# KiCad board SBC.kicad_pcb (continued)
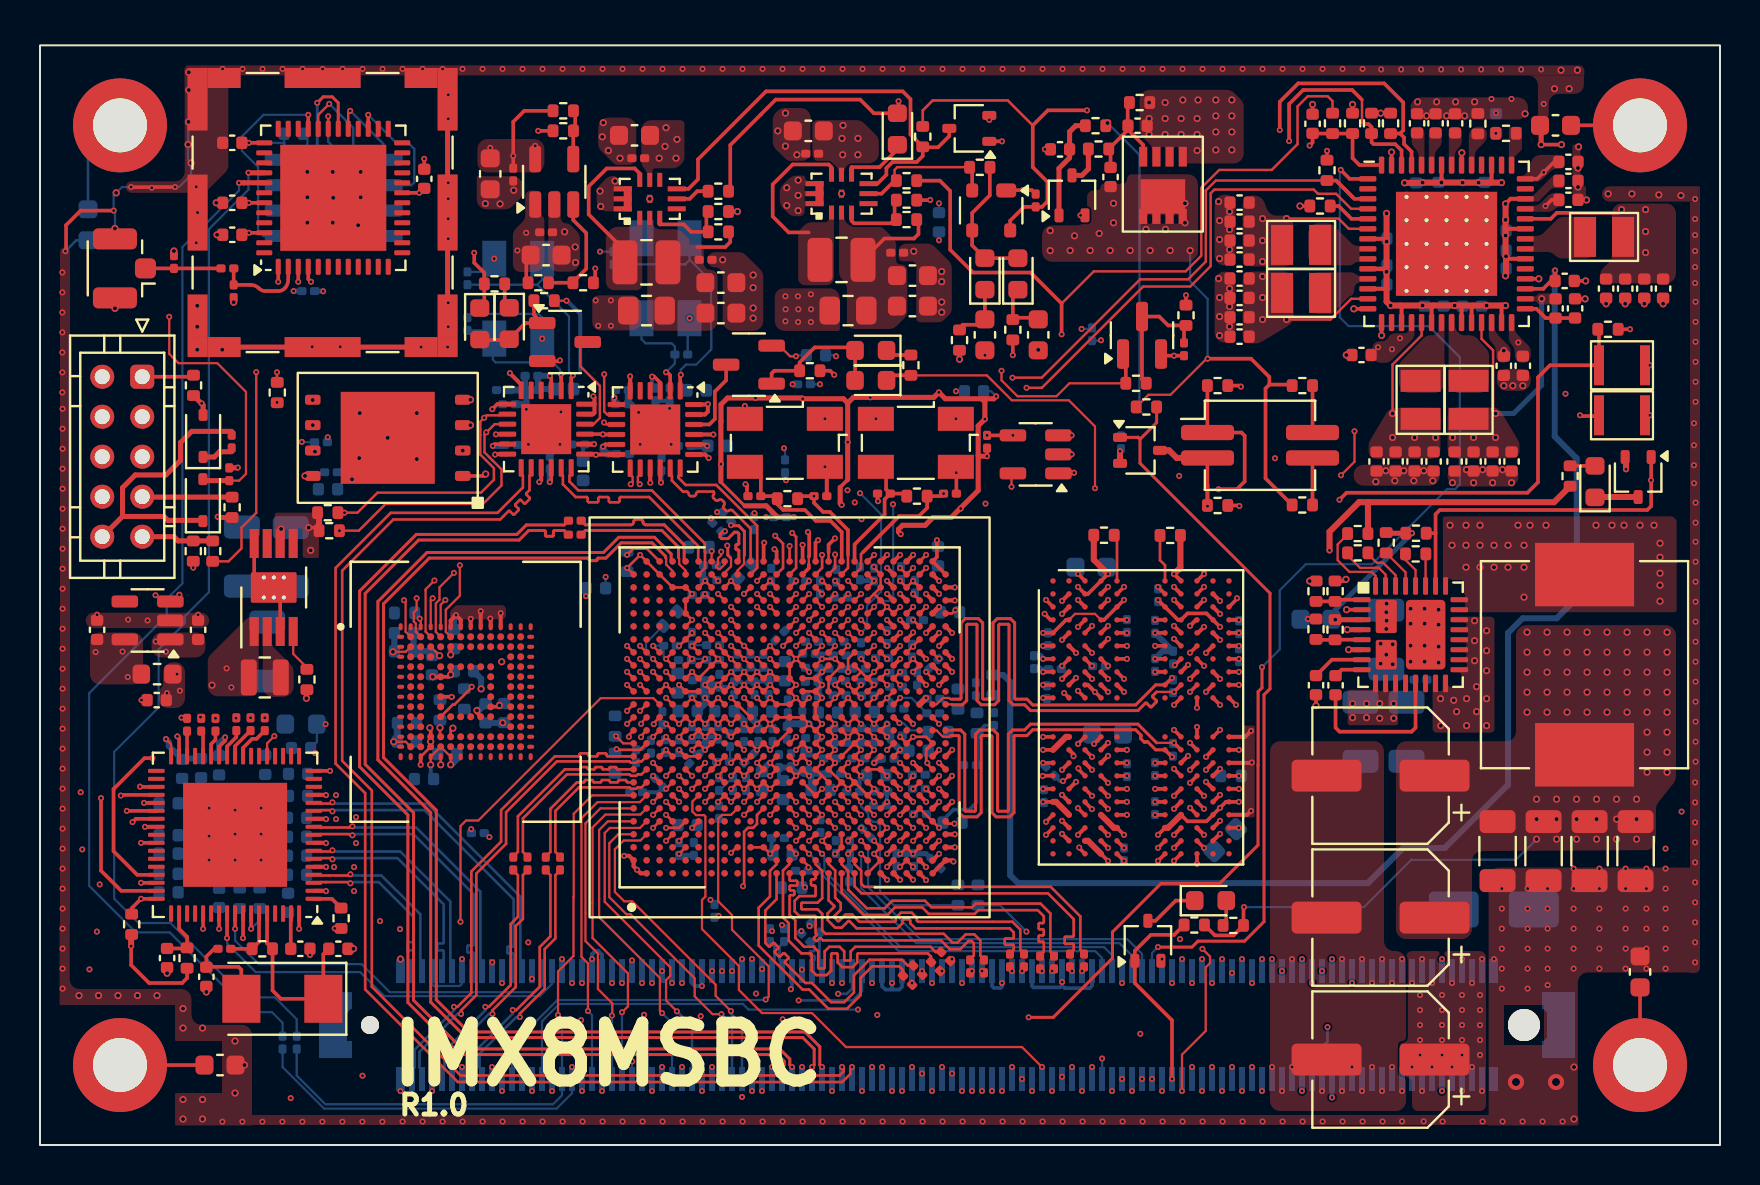
[diagram p0: board, top side]
## Routing (per net, layer and track width the routed paths; a pad name or vN(x,y) marks a point on that pad's centre or on a via; arc(x,y) is an arc through that point) (continued)
DSI_D2_N: length 32.2
  T w0.13: U9.A18 v1(29.35,24.96)
  IN2 w0.11: v1(26.6,8.1) 26.69,8.19 26.69,8.47 26.55,8.61 24.73,8.61 23.18,10.17 23.13,10.17 23.01,10.04 22.7,10.04 22.21,10.53 22.21,10.84 22.64,11.27 22.64,11.31 22.34,11.62 22.29,11.62 21.86,11.19 21.55,11.19 21.06,11.67 21.06,11.99 21.49,12.41 21.49,12.46 21.19,12.76 21.14,12.76 21.02,12.64 20.71,12.64 19.89,13.45 19.89,17.65 20.97,18.73 20.97,23.64 21.63,24.29 arc(21.66,24.37) 21.63,24.45 arc(21.6,24.53) 21.63,24.61 21.71,24.69 arc(21.79,24.72) 21.87,24.69 arc(21.95,24.66) 22.03,24.69 22.3,24.96 v1(29.35,24.96)
DSI_D2_P: length 32.3
  T w0.13: U9.B18 v1(30,24.96)
  IN2 w0.11: v1(27.1,8.1) 27.01,8.19 27.01,8.61 26.69,8.93 24.87,8.93 23.31,10.49 23,10.49 22.87,10.36 22.83,10.36 22.53,10.66 22.53,10.71 22.96,11.14 22.96,11.45 22.47,11.94 22.16,11.94 21.73,11.51 21.68,11.51 21.38,11.81 21.38,11.85 21.81,12.28 21.81,12.59 21.32,13.08 21.01,13.08 20.89,12.96 20.84,12.96 20.21,13.59 20.21,17.51 21.29,18.59 21.29,23.5 22.43,24.64 29.68,24.64 v1(30,24.96)
DSI_D3_N: length 32.3
  T w0.13: U9.A15 v1(29.35,23.01)
  IN2 w0.11: v1(31.6,8.1) 31.69,8.19 31.69,8.79 29.38,11.1 28.4,11.1 24.79,14.71 24.79,15.61 24.76,15.64 24.06,15.64 23.84,15.86 23.84,16.4 24.06,16.62 25.31,16.62 25.34,16.65 25.34,16.93 25.31,16.96 24.06,16.96 23.84,17.18 23.84,17.72 24.06,17.94 25.26,17.94 25.29,17.97 25.29,18.25 25.26,18.28 24.06,18.28 23.84,18.5 23.84,19.04 24.06,19.26 25.26,19.26 25.29,19.29 25.29,19.57 25.26,19.6 24.06,19.6 23.84,19.82 23.84,20.36 24.06,20.58 24.76,20.58 24.79,20.61 24.79,21.42 25.53,22.16 arc(25.56,22.24) 25.53,22.31 arc(25.5,22.39) 25.53,22.47 25.64,22.58 arc(25.71,22.61) 25.79,22.58 arc(25.87,22.54) 25.95,22.58 26.39,23.01 v1(29.35,23.01)
DSI_D3_P: length 32.2
  T w0.13: U9.B15 v1(30,23.01)
  IN2 w0.11: v1(30,23.01) 29.68,22.69 26.52,22.69 25.11,21.28 25.11,20.48 24.89,20.26 24.19,20.26 24.16,20.23 24.16,19.95 24.19,19.92 25.39,19.92 25.61,19.7 25.61,19.16 25.39,18.94 24.19,18.94 24.16,18.91 24.16,18.63 24.19,18.6 25.39,18.6 25.61,18.38 25.61,17.84 25.39,17.62 24.19,17.62 24.16,17.59 24.16,17.31 24.19,17.28 25.44,17.28 25.66,17.06 25.66,16.52 25.44,16.3 24.19,16.3 24.16,16.27 24.16,15.99 24.19,15.96 24.89,15.96 25.11,15.74 25.11,14.84 28.53,11.42 29.51,11.42 32.01,8.92 32.01,8.19 v1(32.1,8.1)
ENET_INT: length 40.3
  T w0.13: v1(35.15,12.94) 35.2,12.99 35.2,15.67 35.4,15.87 35.66,15.87 35.85,16.06 35.85,16.51 U9.L6
  T w0.18: U17.51 v1(5.05,12.31) 4.58,11.84 R108.2
  IN3 w0.11: v1(35.15,12.94) 28.75,12.94 24.51,8.71 8.79,8.71 7.9,9.6 6.4,9.6 5.05,10.95 v1(5.05,12.31)
ENET_MDC: length 48.3
  T w0.13: U9.N20 v1(37.8,26.26)
  T w0.18: v1(5.62,19.35) 5.23,19.35 3.68,17.8 3.68,14.7 4.86,13.51 U17.48
  IN4 w0.11: v1(5.62,19.35) 6.38,19.35 7.93,17.8 9.58,17.8 9.63,17.74 9.63,17.46 9.69,17.4 10.15,17.4 10.2,17.46 10.2,17.74 10.26,17.8 10.72,17.8 10.77,17.74 10.77,17.46 10.83,17.4 11.29,17.4 11.34,17.46 11.34,17.74 11.4,17.8 11.86,17.8 11.91,17.74 11.91,17.46 11.97,17.4 12.43,17.4 12.48,17.46 12.48,17.74 12.54,17.8 13,17.8 13.05,17.74 13.05,17.46 13.11,17.4 13.57,17.4 13.62,17.46 13.62,17.74 13.68,17.8 15.3,17.8 15.8,17.3 22.68,17.3 28.69,23.31 31.66,23.31 32.32,23.97 35.28,23.97 35.5,24.19 35.5,24.38 37.39,26.26 v1(37.8,26.26)
ENET_MDIO: length 48.4
  T w0.13: U9.N19 v1(37.15,24.96)
  T w0.18: U17.50 4.06,12.71 3.05,13.73 v1(3.05,17.35)
  IN4 w0.11: v1(3.05,17.35) 3.04,17.36 3.04,17.46 3.88,18.3 5.77,18.3 7.82,16.25 12.8,16.25 13.13,15.92 13.13,15.92 13.35,15.7 15.1,15.7 15.33,15.93 15.33,16.06 15.5,16.24 15.5,16.52 15.68,16.7 15.92,16.7 16.22,16.4 22.98,16.4 28.84,22.26 30.61,22.26 30.85,22.03 35.34,22.03 35.56,22.24 35.56,22.49 35.79,22.72 36.04,22.72 36.21,22.89 36.21,23.14 36.44,23.37 36.63,23.37 37.15,23.9 v1(37.15,24.96)
ENET_NRST: length 2.9
  T w0.18: R107.2 7.35,10.41 6.95,10.81 U17.53 ; C318.1 7.32,9.83
ENET_RD0: length 41.4
  T w0.12: U9.U19 v1(39.75,25.61)
  IN4 w0.11: v1(8.77,21.34) 10.81,19.31 11.01,19.31 11.04,19.34 11.04,19.59 11.08,19.62 11.34,19.62 11.37,19.59 11.37,19.34 11.41,19.31 11.67,19.31 11.7,19.34 11.7,19.59 11.74,19.62 12,19.62 12.03,19.59 12.03,19.34 12.07,19.31 12.33,19.31 12.36,19.34 12.36,19.59 12.4,19.62 12.66,19.62 12.69,19.59 12.69,19.34 12.73,19.31 12.99,19.31 13.02,19.34 13.02,19.59 13.06,19.62 13.32,19.62 13.35,19.59 13.35,19.34 13.39,19.31 15.04,19.31 16.13,18.23 21.64,18.23 28.74,25.33 30.75,25.33 31.34,25.91 35.92,25.91 36.8,26.79 36.8,27.1 37.56,27.86 39.23,27.86 39.4,27.69 39.4,27.5 39.63,27.27 39.82,27.27 40.11,26.98 40.11,25.97 v1(39.75,25.61)
ENET_RD1: length 41.4
  T w0.12: U9.U21 v1(40.4,26.91)
  IN4 w0.11: v1(9.8,21.35) 9.8,20.96 10.79,19.98 15.1,19.98 16.4,18.68 16.52,18.68 16.56,18.71 16.56,19.14 16.6,19.18 16.83,19.18 16.87,19.14 16.87,18.71 16.91,18.68 17.14,18.68 17.18,18.71 17.18,19.14 17.22,19.18 17.45,19.18 17.49,19.14 17.49,18.71 17.53,18.68 17.76,18.68 17.8,18.71 17.8,19.14 17.84,19.18 18.07,19.18 18.11,19.14 18.11,18.71 18.15,18.68 18.38,18.68 18.42,18.71 18.42,19.14 18.46,19.18 18.69,19.18 18.73,19.14 18.73,18.71 18.77,18.68 21.65,18.68 28.7,25.73 30.48,25.73 31.32,26.57 35.93,26.57 36.16,26.79 36.16,27.04 36.33,27.22 36.59,27.22 36.81,27.43 36.81,27.66 37.67,28.52 39.23,28.52 39.41,28.34 39.41,28.14 39.63,27.91 39.83,27.91 40.06,27.69 40.06,27.49 40.4,27.14 v1(40.4,26.91)
ENET_RD2: length 41.4
  T w0.12: U9.U20 v1(40.4,26.26)
  IN4 w0.11: v1(10.53,21.37) 10.53,21.09 10.86,20.76 11.07,20.76 11.12,20.81 11.12,20.96 11.17,21.01 11.47,21.01 11.52,20.96 11.52,20.81 11.57,20.76 11.87,20.76 11.92,20.81 11.92,20.96 11.97,21.01 12.27,21.01 12.32,20.96 12.32,20.55 12.37,20.5 12.67,20.5 12.72,20.55 12.72,20.96 12.77,21.01 13.07,21.01 13.12,20.96 13.12,20.55 13.17,20.5 13.47,20.5 13.52,20.55 13.52,20.96 13.57,21.01 13.87,21.01 13.92,20.96 13.92,20.55 13.97,20.5 14.27,20.5 14.32,20.55 14.32,20.71 14.37,20.76 15.34,20.76 15.45,20.86 15.52,20.86 15.73,20.65 15.73,20.58 15.44,20.29 15.44,20.22 15.66,20.01 15.73,20.01 15.83,20.12 15.91,20.12 16.52,19.5 21.98,19.5 28.58,26.1 30.23,26.1 31.02,26.9 34.12,26.9 34.43,27.21 35.92,27.21 36.15,27.44 36.15,27.63 36.44,27.92 36.74,27.92 37.55,28.72 39.67,28.72 40.05,28.34 40.05,28.15 40.28,27.92 40.49,27.92 40.7,27.71 40.7,26.56 v1(40.4,26.26)
ENET_RD3: length 41.4
  T w0.12: U9.V19 v1(40.4,25.61)
  IN4 w0.11: v1(11.24,21.37) 12.07,21.37 12.1,21.4 12.1,21.86 12.13,21.89 12.41,21.89 12.44,21.86 12.44,21.4 12.47,21.37 12.75,21.37 12.78,21.4 12.78,21.86 12.81,21.89 13.09,21.89 13.12,21.86 13.12,21.4 13.15,21.37 13.43,21.37 13.46,21.4 13.46,21.86 13.49,21.89 13.77,21.89 13.8,21.86 13.8,21.4 13.83,21.37 15.66,21.37 17.23,19.8 21.55,19.8 22.81,21.06 22.81,21.26 23,21.45 23.2,21.45 28.18,26.43 29.9,26.43 30.65,27.18 33.95,27.18 34.26,27.49 34.68,27.49 35.07,27.88 35.94,27.88 36.18,28.11 36.18,28.31 36.49,28.63 36.63,28.63 36.93,28.93 40.23,28.93 41.36,27.79 41.36,26.14 41.18,25.96 40.98,25.96 40.63,25.61 v1(40.4,25.61)
ENET_RX_CTL: length 41.4
  T w0.13: U9.T21 v1(39.75,26.91)
  IN4 w0.11: v1(8.02,21.4) 8.02,21.1 10.71,18.42 10.81,18.42 10.86,18.48 10.86,18.88 10.92,18.94 11.27,18.94 11.32,18.88 11.32,18.48 11.38,18.42 11.73,18.42 11.78,18.48 11.78,18.88 11.84,18.94 12.19,18.94 12.24,18.88 12.24,18.48 12.3,18.42 12.65,18.42 12.7,18.48 12.7,18.88 12.76,18.94 13.11,18.94 13.16,18.88 13.16,18.48 13.22,18.42 13.57,18.42 13.62,18.48 13.62,18.88 13.68,18.94 14.03,18.94 14.08,18.88 14.08,18.48 14.14,18.42 15.41,18.42 15.98,17.85 22.13,17.85 28.9,24.62 30.74,24.62 31.4,25.28 35.57,25.28 37.51,27.22 39.23,27.22 39.54,26.91 v1(39.75,26.91)
ENET_RXC: length 41.4
  T w0.12: v1(7.07,21.38) 7.13,21.43 7.35,21.43 ; U9.T20 v1(39.75,26.26)
  IN4 w0.11: v1(7.07,21.38) 7.81,20.64 arc(7.9,20.43) 7.81,20.22 7.59,20 arc(7.5,19.79) 7.59,19.58 arc(7.8,19.49) 8.01,19.58 8.23,19.8 arc(8.44,19.89) 8.65,19.8 arc(8.73,19.59) 8.65,19.39 8.42,19.16 arc(8.34,18.95) 8.42,18.75 arc(8.63,18.66) 8.84,18.75 9.06,18.97 arc(9.27,19.05) 9.48,18.97 10.35,18.1 15.3,18.1 15.8,17.6 22.49,17.6 28.91,24.01 31.72,24.01 32.32,24.62 35.37,24.62 37.32,26.57 39.45,26.57 v1(39.75,26.26)
ENET_TD0: length 53.4
  T w0.13: U9.R20 v1(39.1,26.26)
  T w0.18: U17.38 4.08,17.51 v1(4.04,17.48)
  IN4 w0.11: v1(4.04,17.48) 3.7,17.14 3.7,16.78 arc(3.64,16.64) 3.5,16.58 3.33,16.58 arc(3.18,16.52) 3.12,16.37 arc(3.18,16.23) 3.33,16.17 3.5,16.17 arc(3.64,16.11) 3.7,15.96 arc(3.64,15.82) 3.5,15.76 3.33,15.76 arc(3.18,15.7) 3.12,15.55 arc(3.18,15.41) 3.33,15.35 3.5,15.35 arc(3.64,15.29) 3.7,15.14 3.7,14.98 6.96,11.73 22.63,11.73 30.31,19.41 36.01,19.41 36.02,19.4 36.04,19.41 36.57,19.41 36.8,19.64 36.8,19.83 37.74,20.77 38.58,20.77 38.81,21 38.81,21.65 39.46,22.3 39.46,22.54 39.63,22.71 39.88,22.71 40.1,22.93 40.1,25.09 39.88,25.31 39.59,25.31 39.42,25.48 39.42,25.95 v1(39.1,26.26)
ENET_TD1: length 53.4
  T w0.13: U9.R21 v1(38.45,26.26)
  T w0.18: v1(4.34,16.71) U17.40
  IN4 w0.11: v1(38.45,26.26) 38.75,25.97 38.75,23.1 38.1,22.45 38.1,22.24 37.88,22.03 37.35,22.03 36.98,21.65 36.98,21.12 36.57,20.71 29.32,20.71 29.1,20.49 29.1,20.33 28.86,20.1 28.71,20.1 28.54,19.92 28.54,19.29 22.23,12.98 21.85,12.98 21.8,13.03 21.8,13.4 21.75,13.45 21.45,13.45 21.4,13.4 21.4,13.03 21.35,12.98 21.05,12.98 21,13.03 21,13.4 20.95,13.45 20.65,13.45 20.6,13.4 20.6,13.03 20.55,12.98 20.25,12.98 20.2,13.03 20.2,13.4 20.15,13.45 19.85,13.45 19.8,13.4 19.8,13.03 19.75,12.98 19.45,12.98 19.4,13.03 19.4,13.4 19.35,13.45 19.05,13.45 19,13.4 19,13.03 18.95,12.98 18.65,12.98 18.6,13.03 18.6,13.4 18.55,13.45 18.25,13.45 18.2,13.4 18.2,13.03 18.15,12.98 17.85,12.98 17.8,13.03 17.8,13.4 17.75,13.45 17.45,13.45 17.4,13.4 17.4,13.03 17.35,12.98 17.05,12.98 17,13.03 17,13.4 16.95,13.45 16.65,13.45 16.6,13.4 16.6,13.03 16.55,12.98 16.43,12.98 15.77,12.32 7.42,12.32 4.3,15.44 4.3,16.68 v1(4.34,16.71)
ENET_TD2: length 53.4
  T w0.13: U9.R19 v1(38.45,25.61)
  T w0.18: v1(4.62,16.15) 4.79,16.31 U17.41
  IN4 w0.11: v1(4.62,16.15) 4.72,16.06 4.72,16.03 7.95,12.79 8.6,12.79 8.68,12.87 8.68,13.61 8.75,13.69 9.19,13.69 9.27,13.61 9.27,12.87 9.34,12.79 9.78,12.79 9.86,12.87 9.86,13.61 9.93,13.69 10.37,13.69 10.45,13.61 10.45,12.87 10.52,12.79 10.96,12.79 11.04,12.87 11.04,13.61 11.11,13.69 11.55,13.69 11.63,13.61 11.63,12.87 11.7,12.79 12.4,12.79 13,13.39 13,13.4 14.62,13.4 15.41,14.2 16.08,14.2 16.3,13.98 16.49,13.98 16.55,14.04 16.55,14.44 16.62,14.5 16.98,14.5 17.04,14.44 17.04,14.04 17.11,13.98 17.47,13.98 17.53,14.04 17.53,14.44 17.6,14.5 17.96,14.5 18.02,14.44 18.02,14.04 18.09,13.98 18.45,13.98 18.51,14.04 18.51,14.44 18.58,14.5 18.94,14.5 19,14.44 19,14.04 19.07,13.98 19.43,13.98 19.49,14.04 19.49,14.44 19.56,14.5 19.92,14.5 19.98,14.44 19.98,14.04 20.05,13.98 20.41,13.98 20.47,14.04 20.47,14.44 20.54,14.5 20.9,14.5 20.96,14.44 20.96,14.04 21.03,13.98 21.85,13.98 29.06,21.18 29.06,21.19 29.29,21.42 35.61,21.42 35.92,21.73 36.63,21.73 37.57,22.66 37.87,22.66 38.16,22.95 38.16,23.79 38.43,24.05 38.43,24.58 38.16,24.84 38.16,25.27 38.45,25.56 v1(38.45,25.61)
ENET_TD3: length 53.4
  T w0.13: U9.P20 v1(37.8,25.61)
  T w0.18: U17.42 v1(5.25,15.91)
  IN4 w0.11: v1(37.8,25.61) 37.51,25.32 37.51,23.6 36.6,22.69 36.41,22.69 36.15,22.43 36.15,22.24 35.63,21.73 30.8,21.73 30.48,22.05 29.23,22.05 22.87,15.7 22.25,15.7 21.48,14.93 21.11,14.93 21.04,15 21.04,15.54 20.97,15.61 20.55,15.61 20.48,15.54 20.48,15 20.41,14.93 19.99,14.93 19.92,15 19.92,15.54 19.85,15.61 19.43,15.61 19.36,15.54 19.36,15 19.29,14.93 18.87,14.93 18.8,15 18.8,15.54 18.73,15.61 18.31,15.61 18.24,15.54 18.24,15 18.17,14.93 17.75,14.93 17.68,15 17.68,15.54 17.61,15.61 17.19,15.61 17.12,15.54 17.12,15 17.05,14.93 16.5,14.93 16.38,14.8 15.5,14.8 14.9,15.4 13.38,15.4 12.98,14.99 11.99,14.99 11.93,15.06 11.93,15.82 11.86,15.89 11.46,15.89 11.39,15.82 11.39,14.71 11.32,14.64 10.91,14.64 10.85,14.71 10.85,15.27 10.78,15.34 10.38,15.34 10.31,15.27 10.31,14.71 10.24,14.64 9.84,14.64 9.77,14.71 9.77,15.12 9.7,15.19 9.29,15.19 9.23,15.12 9.23,14.51 9.16,14.44 8.76,14.44 8.69,14.51 8.69,15.04 8.65,15.08 8.19,15.08 8.15,15.04 8.15,14.16 8.08,14.09 7.68,14.09 7.61,14.16 7.61,15.82 7.54,15.89 7.13,15.89 7.07,15.82 7.07,15.06 7,14.99 6.68,14.99 5.76,15.91 v1(5.25,15.91)
ENET_TX_CTL: length 53.4
  T w0.12: U9.P19 v1(37.8,24.96)
  T w0.18: U17.33 6.95,20.35 v1(6.87,20.44)
  IN4 w0.11: v1(6.87,20.44) 6.58,20.73 6.1,20.73 6.04,20.79 6.04,21.35 5.97,21.41 5.45,21.41 5.39,21.35 5.39,20.1 5.32,20.04 4.8,20.04 4.73,20.1 4.73,21.35 4.67,21.41 4.15,21.41 4.09,21.35 4.09,20.79 4.02,20.73 3.08,20.73 2.77,20.43 2.77,19 3.15,18.63 6.4,18.63 7.85,17.18 12.55,17.18 13.73,16 14.92,16 15.1,16.18 15.1,16.58 15.52,17 22.9,17 28.56,22.66 32.02,22.66 32.67,23.31 35.27,23.31 35.5,23.54 35.5,23.79 35.69,23.98 35.93,23.98 36.15,24.19 36.15,24.38 36.42,24.65 36.61,24.65 36.8,24.84 36.8,25.23 37.49,25.91 37.99,25.91 38.1,25.8 38.1,25.49 37.8,25.2 v1(37.8,24.96)
ENET_TXC: length 53.4
  T w0.13: U9.T19 v1(39.1,25.61)
  T w0.18: U17.37 5.01,17.91 v1(5,17.93)
  IN4 w0.11: v1(5,17.93) 4,16.93 4,15.27 7.22,12.05 16.53,12.05 16.58,12.1 16.58,12.41 16.63,12.46 16.93,12.46 16.98,12.41 16.98,12.1 17.03,12.05 17.33,12.05 17.38,12.1 17.38,12.41 17.43,12.46 17.73,12.46 17.78,12.41 17.78,12.1 17.83,12.05 18.13,12.05 18.18,12.1 18.18,12.41 18.23,12.46 18.53,12.46 18.58,12.41 18.58,12.1 18.63,12.05 18.93,12.05 18.98,12.1 18.98,12.41 19.03,12.46 19.33,12.46 19.38,12.41 19.38,12.1 19.43,12.05 19.73,12.05 19.78,12.1 19.78,12.41 19.83,12.46 20.13,12.46 20.18,12.41 20.18,12.1 20.23,12.05 20.53,12.05 20.58,12.1 20.58,12.41 20.63,12.46 20.93,12.46 20.98,12.41 20.98,12.1 21.03,12.05 21.33,12.05 21.38,12.1 21.38,12.41 21.43,12.46 21.73,12.46 21.78,12.41 21.78,12.1 21.83,12.05 22.2,12.05 30.21,20.06 36.34,20.06 38.15,21.88 38.38,21.88 38.75,22.24 38.75,22.45 38.96,22.66 39.23,22.66 39.41,22.84 39.41,25.09 39.1,25.4 v1(39.1,25.61)
ESP32_RX: length 52.3
  T w0.25: v1(10.42,48.63) 10.43,48.63 U19.40
  B w0.11: 12.84,5.53 12.84,6.29 11.75,7.38 10.25,7.38 6.53,11.1 4.93,11.1 3.71,12.32 3.71,19.67 5.93,21.89 5.93,24.78 7.25,26.1 7.25,26.46 8.44,27.65 8.44,45.8 10.42,47.79 v1(10.42,48.63)
ESP32_TX: length 52.6
  T w0.25: U19.41 10.2,48.13 10.2,48.12 v1(9.95,48.12)
  B w0.11: 12.13,5.53 12.13,6.11 11.59,6.65 10.48,6.65 6.49,10.63 4.79,10.63 2.46,12.96 2.46,22.6 6.34,26.47 6.34,27.31 7.12,28.09 7.12,44.91 9.95,47.74 v1(9.95,48.12)
GBE0_MDI0_N: length 15.1
  T w0.13: v1(14.62,16.69) 14.56,16.75 14.04,16.75
  B w0.13: v1(14.62,16.69) 14.68,16.75 19.22,16.75 23.68,12.29 23.68,9.96 23.65,9.93 23.41,9.93 23.37,9.89 23.37,9.62 23.41,9.59 23.65,9.59 23.68,9.55 23.68,9.24
GBE0_MDI0_P: length 15.1
  T w0.13: 14.04,17.08 14.56,17.08 v1(14.62,17.14)
  B w0.13: v1(14.62,17.14) 14.68,17.08 19.36,17.08 24.02,12.42 24.02,9.24
GBE0_MDI1_N: length 12.7
  T w0.13: 14.04,15.55 15.46,15.55 15.52,15.49
  B w0.13: 21.68,9.24 21.68,9.59 21.65,9.63 21.41,9.63 21.37,9.67 21.37,9.94 21.41,9.98 21.65,9.98 21.68,10.02 21.68,12.54 18.67,15.55 15.68,15.55 v1(15.62,15.49)
GBE0_MDI1_P: length 12.7
  T w0.13: 15.52,15.94 15.46,15.88 14.04,15.88
  B w0.13: v1(15.62,15.94) 15.68,15.88 18.81,15.88 22.02,12.67 22.02,9.24
GBE0_MDI2_N: length 10.5
  T w0.13: v1(14.62,14.29) 14.56,14.35 14.04,14.35
  B w0.13: v1(14.62,14.29) 14.68,14.35 17.88,14.35 20.18,12.04 20.18,10.12 20.15,10.08 19.91,10.08 19.87,10.04 19.87,9.77 19.91,9.73 20.15,9.73 20.18,9.69 20.18,9.24
GBE0_MDI2_P: length 10.5
  T w0.13: v1(14.62,14.74) 14.56,14.68 14.04,14.68
  B w0.13: v1(14.62,14.74) 14.68,14.68 18.01,14.68 20.52,12.18 20.52,9.24
GBE0_MDI3_N: length 8.1
  T w0.13: 14.04,13.15 14.31,13.15 15.46,13.15 v1(15.52,13.09)
  B w0.13: v1(15.52,13.09) 15.58,13.15 16.94,13.15 18.68,11.4 18.68,10.19 18.64,10.15 18.4,10.15 18.36,10.11 18.36,9.78 18.4,9.74 18.64,9.74 18.68,9.7 18.68,9.24
GBE0_MDI3_P: length 8.1
  T w0.13: v1(15.52,13.54) 15.46,13.48 14.44,13.48 14.04,13.48
  B w0.13: v1(15.52,13.54) 15.58,13.48 17.07,13.48 19.02,11.54 19.02,9.24
GPIO0: length 10.2
  T w0.18: v1(56.6,3.3) 56.6,6.24 54.74,8.1 Q6.1 54.74,9.72 55.54,10.52 56.71,10.52 R78.2
GPIO3: length 31.2
  T w0.11: v1(58.12,9.81) 58.5,9.43 58.5,9.1 58.28,8.88 58.28,5.71 57.1,4.52 v1(57.1,2.7)
  T w0.13: U9.P4 v1(37.8,15.21)
  IN2 w0.11: v1(37.8,15.21) 37.95,15.21 38.25,14.92 38.54,14.92 38.81,14.65 38.81,14.44 39,14.25 40.14,14.25 42.9,11.49 46.34,11.49 47.65,10.18 53.42,10.18 54,9.6 57.56,9.6 57.77,9.81 v1(58.12,9.81)
GPIO4: length 30
  T w0.13: U9.P5 v1(38.45,15.86)
  IN2 w0.11: v1(57,10.3) 56.92,10.38 47.9,10.38 46.5,11.78 43.02,11.78 40.76,14.04 40.76,14.63 40.53,14.86 39.04,14.86 38.81,15.09 38.81,15.51 v1(38.45,15.86)
  IN4 w0.11: v1(58.1,2.7) 58.1,8.4 57.54,8.96 57.54,9.76 v1(57,10.3)
GPIO5: length 28.2
  T w0.13: U9.P7 v1(38.45,17.16)
  IN4 w0.11: v1(38.45,17.16) 38.16,16.87 38.16,14.42 38.39,14.18 38.82,14.18 39.07,13.93 39.07,12.82 42.69,9.2 44.09,9.2 44.89,8.4 50.31,8.4 51.13,7.58 53.73,7.58 56.1,5.2 v1(56.1,2.7)
GPIO6: length 25.3
  T w0.13: U9.N5 v1(37.8,15.86)
  IN4 w0.11: v1(55.1,3.3) 55.1,4.7 52.7,7.1 49.8,7.1 49.13,7.78 44.45,7.78 43.23,9 42.51,9 38.67,12.84 38.67,13.05 37.51,14.22 37.51,15.57 v1(37.8,15.86)
GPIO8: length 28
  T w0.13: U9.N7 v1(37.8,17.16)
  IN4 w0.11: v1(54.6,2.7) 54.6,4.6 53.11,6.09 47.91,6.09 46.9,7.1 43.15,7.1 42.3,7.95 42.3,8.4 38.67,12.03 38.32,12.03 37,13.35 37,16.36 v1(37.8,17.16)
GPIO9: length 26.7
  T w0.13: U9.M6 v1(36.5,16.51)
  IN4 w0.11: v1(36.5,16.51) 36.8,16.22 36.8,13.1 38.1,11.8 38.62,11.8 42.1,8.32 42.1,7.8 43.2,6.7 45.4,6.7 46.3,5.8 52.67,5.8 53.6,4.87 v1(53.6,2.7)
GPIO10: length 26.7
  T w0.13: U9.M7 v1(36.5,17.16)
  IN4 w0.11: v1(36.5,17.16) 36.21,16.87 36.21,13.32 38,11.53 38.6,11.53 41.9,8.22 41.9,7.65 44.05,5.5 52.4,5.5 53.1,4.79 v1(53.1,4.33)
  B w0.11: v1(53.1,4.33) 53.1,3.3
HDMI_AUX_N:
  vias: v1(52.1,8.7)
HDMI_AUX_P:
  vias: v1(51.6,8.7)
HDMI_CEC: length 18.9
  T w0.13: 41.38,14.89 v1(41.05,15.21)
  B w0.11: v1(41.05,15.21) 41.4,14.86 41.4,12.9 44,10.3 54.36,10.3 55.1,9.56 J1.A75
HDMI_HPD: length 17.9
  T w0.13: 41.38,14.24 v1(41.05,14.56)
  B w0.11: J1.A74 54.6,9.47 53.97,10.1 43.8,10.1 41.05,12.85 v1(41.05,14.56)
HDMI_REFCLK_N:
  vias: v1(46.6,8.7)
HDMI_REFCLK_P:
  vias: v1(47.1,8.7)
HDMI_SCL: length 18.3
  T w0.13: U9.R3 v1(39.1,14.56)
  B w0.11: v1(39.1,14.56) 39.22,14.45 39.22,13.72 43.04,9.9 53.2,9.9 53.6,9.5 J1.A72
HDMI_SDA: length 18.1
  T w0.13: U9.P3 v1(38.45,14.56)
  B w0.11: J1.A71 53.1,9.36 52.76,9.7 42.93,9.7 38.97,13.66 38.97,14.04 v1(38.45,14.56)
HDMI_TX0_N:
  vias: v1(49.1,8.7)
HDMI_TX0_P:
  vias: v1(48.6,8.7)
HDMI_TX1_N:
  vias: v1(50.1,8.7)
HDMI_TX1_P:
  vias: v1(50.6,8.7)
HDMI_TX2_N:
  vias: v1(45.6,9.3)
HDMI_TX2_P:
  vias: v1(45.1,8.7)
HDMI_TX3_N:
  vias: v1(43.6,8.1)
HDMI_TX3_P:
  vias: v1(44.1,8.7)
HOST_PCIE1_CLK_N: length 65.4
  T w0.11: U15.14 30.01,33.54 29.89,33.42 29.89,33.15 v1(29.99,33.05)
  IN2 w0.11: v1(29.99,33.05) 29.87,32.94 29.87,32.4 29.06,31.59 19.05,31.59 18.53,31.08 18.53,31.02 18.64,30.92 18.64,30.86 18.42,30.64 18.36,30.64 18.26,30.75 18.2,30.75 17.98,30.53 17.98,30.47 18.09,30.36 18.09,30.31 17.87,30.09 17.81,30.09 17.71,30.2 17.65,30.2 16.01,28.55 16.01,18.89 16.92,17.98 16.92,12.18 17.6,11.5 17.6,8.2 22.39,3.41 41.59,3.41 41.74,3.56 41.74,3.76 v1(41.6,3.9)
HOST_PCIE1_CLK_P: length 65.4
  T w0.11: U15.13 29.51,33.54 29.63,33.42 29.63,33.15 v1(29.54,33.05)
  IN2 w0.11: v1(29.54,33.05) 29.65,32.94 29.65,32.49 28.97,31.81 18.95,31.81 15.79,28.65 15.79,18.8 16.7,17.89 16.7,12.09 17.38,11.41 17.38,8.11 22.3,3.19 41.68,3.19 41.96,3.47 41.96,3.76 v1(42.1,3.9)
HOST_PCIE2_CLK_N: length 60.2
  T w0.13: 24.56,33.56 24.47,33.47 24.47,32.75 24.32,32.59 24.32,32.54 24.49,32.37 24.49,32.31 24.27,32.09 24.21,32.09 24.04,32.26 23.99,32.26 23.76,32.04 23.76,31.99 23.94,31.82 23.94,31.76 23.71,31.54 23.66,31.54 23.49,31.71 23.43,31.71 23.01,31.29 17.67,31.29 15.11,28.73 15.11,19.21 16.59,17.73 16.59,7.92 21.03,3.48 39.98,3.48 40.18,3.69 40.18,3.82 v1(40.1,3.9)
HOST_PCIE2_CLK_P: length 60.2
  T w0.13: 24.06,33.56 24.14,33.47 24.14,32.89 22.88,31.62 17.54,31.62 14.78,28.86 14.78,19.08 16.26,17.6 16.26,7.78 20.89,3.15 40.11,3.15 40.52,3.55 40.52,3.82 v1(40.6,3.9)
I2C1_SCL: length 26.6
  T w0.13: U9.E7 v1(31.95,17.81)
  IN4 w0.11: v1(48.6,3.9) 48.21,4.29 40.43,4.29 37.07,7.65 37.07,8.24 35.42,9.9 34.41,9.9 32.55,11.76 32.55,15.35 32.31,15.59 32.31,16.81 32.45,16.95 32.45,17.37 32.16,17.66 32.16,17.66 32.1,17.72 32.05,17.72 v1(31.95,17.81)
I2C1_SDA: length 28.9
  T w0.13: U9.E8 v1(31.95,18.46)
  IN4 w0.11: v1(49.1,3.3) 49.05,3.25 40.3,3.25 39.16,4.39 38.49,4.39 35.19,7.7 35.19,8.53 32.25,11.47 32.25,15.34 32.05,15.54 32.05,16.84 32.25,17.04 32.25,17.29 32.02,17.52 31.78,17.52 31.66,17.64 31.66,18.17 v1(31.95,18.46)
I2C2_SCL: length 113
  T w0.12: 23,36.56 22.94,36.5 22.33,36.5 v1(22.21,36.38) 22.01,36.18 22.01,35.77 22.01,35.77 22.01,35.52 22.01,35.52 22.01,34.54 22.69,33.86 22.69,33.28 22.05,32.63 16.87,32.63 15.87,31.63 v1(15.23,31.63) ; U15.8 28.36,36.54 28.21,36.69 v1(28.21,38.55) ; U9.G7 v1(33.25,17.16)
  IN2 w0.11: v1(15.23,31.63) 14.68,31.08 14.68,24.59 14.77,24.5 14.77,24.49 15.07,24.19 15.07,18.43 16.1,17.4 16.1,10.9 16.44,10.56 16.44,7.64 22.17,1.91 49.81,1.91 v1(50.6,2.7)
  IN4 w0.11: v1(50.6,2.7) 50.6,3.91 49.92,4.59 41.16,4.59 35.53,10.22 34.63,10.22 32.93,11.92 32.93,16.84 v1(33.25,17.16)
  IN4 w0.12: v1(22.21,36.38) 22.21,36.9 24.94,39.63 27.21,39.63 28.21,38.63 v1(28.21,38.55)
I2C2_SDA: length 111.4
  T w0.11: U9.F7 32.62,17.18 32.62,16.68 32.8,16.5 33.2,16.5 33.27,16.43 33.27,12.43 33.1,12.26 33.1,10.8 34.94,8.96 34.94,7.76 36.1,6.6 38.6,6.6 40.3,4.9 49.1,4.9 v1(50.1,3.9)
  T w0.12: U16.9 22.73,36.06 22.32,35.65 v1(22.31,35.65) 22.23,35.56 22.23,34.64 22.45,34.42 22.45,34.41 22.63,34.23 22.64,34.23 23.07,33.8 23.07,32.99 22.15,32.07 17.28,32.07 15.94,30.73 v1(14.97,30.73) ; U15.9 28.33,36.04 28.23,36.14 v1(28.2,36.14)
  IN2 w0.11: v1(14.97,30.73) 14.97,24.58 15.27,24.28 15.27,18.55 16.3,17.53 16.3,11.4 16.78,10.92 16.78,7.58 22.25,2.11 48.44,2.11 50.1,3.77 v1(50.1,3.9)
  IN4 w0.12: v1(28.2,36.14) 28.2,36.14 28.2,37.5 26.85,38.85 25.39,38.85 22.46,35.93 22.46,35.79 v1(22.31,35.65)
I2C3_SCL: length 27.5
  T w0.13: U9.G8 v1(33.25,17.81)
  IN4 w0.11: v1(33.25,17.81) 33.55,17.52 33.55,17.29 33.55,17.29 33.55,17.04 33.55,13.5 33.89,13.16 33.89,12.23 41.19,4.93 50.07,4.93 51.1,3.9 v1(51.6,3.9)
I2C3_SDA: length 30.5
  T w0.13: U9.E9 v1(32.6,18.46)
  IN4 w0.11: v1(32.6,18.46) 32.96,18.11 33.13,18.11 33.13,18.11 33.38,18.11 33.55,17.94 33.55,17.94 34.2,17.29 34.2,12.25 41.21,5.24 51.45,5.24 52.1,4.59 v1(52.1,2.7)
IX8_PCIE1_CLK_N: length 7.7
  T w0.13: 32.01,33.54 31.93,33.45 31.93,33.37 32.28,33.02 33.81,33.02 35.86,30.97 35.86,28.87 U9.K24
IX8_PCIE1_CLK_P: length 7.7
  T w0.13: 31.51,33.54 31.6,33.45 31.6,33.23 32.14,32.69 32.32,32.69 arc(32.4,32.65) 32.43,32.57 arc(32.47,32.49) 32.55,32.46 32.69,32.46 arc(32.77,32.49) 32.8,32.57 arc(32.84,32.65) 32.92,32.69 33.68,32.69 arc(33.71,32.6) 33.68,32.52 arc(33.64,32.44) 33.68,32.36 33.77,32.26 arc(33.86,32.23) 33.94,32.26 arc(34.02,32.29) 34.1,32.26 34.2,32.16 arc(34.23,32.08) 34.2,32 arc(34.16,31.92) 34.2,31.84 34.3,31.74 arc(34.38,31.7) 34.46,31.74 arc(34.54,31.77) 34.62,31.74 35.53,30.83 U9.K25
IX8_PCIE2_CLK_N: length 10.5
  T w0.13: U16.18 26.56,33.56 26.47,33.47 26.47,33.18 26.92,32.74 30.59,32.74 33.24,30.09 33.24,29.68 33.25,29.67 33.25,28.86 U9.F24
IX8_PCIE2_CLK_P: length 10.5
  T w0.13: 32.91,29.21 32.91,29.96 30.46,32.41 29.03,32.41 28.97,32.36 28.97,32.2 28.92,32.15 28.5,32.15 28.44,32.2 28.44,32.36 28.39,32.41 27.97,32.41 27.91,32.36 27.91,32.2 27.86,32.15 27.44,32.15 27.38,32.2 27.38,32.36 27.33,32.41 26.78,32.41 26.14,33.05 26.14,33.47 26.06,33.56 U16.17
JTAG_nTRS: length 65.9
  T w0.12: R94.1 9.43,29.2 10.07,29.84 10.07,30.88 10.81,31.62 v1(10.81,38.66)
  T w0.13: U9.U6 v1(39.75,17.16)
  IN2 w0.11: v1(39.75,17.16) 40.05,17.46 40.47,17.46 42.65,19.64 42.65,25.74 42.48,25.91 42.26,25.91 42,26.17 42,26.34 42.28,26.62 42.48,26.62 42.65,26.79 42.65,27.04 42.43,27.26 42.21,27.26 41.83,27.64 41.83,27.92 42,28.09 42,30.47 42.2,30.66 42.2,34.04 36.61,39.63 34.49,39.63 33.49,40.63 24.52,40.63 24.24,40.35 12.51,40.35 v1(10.81,38.66)
JTAG_TCK: length 62.7
  T w0.13: U9.T5 v1(39.75,15.86)
  IN2 w0.11: v1(39.75,15.86) 39.75,16.1 39.4,16.45 39.4,16.68 39.21,16.87 38.98,16.87 38.75,17.1 38.75,18.18 39.4,18.83 39.4,19.18 39.63,19.41 41.17,19.41 41.37,19.61 41.37,25.72 41.17,25.92 40.98,25.92 40.71,26.19 40.71,27.15 40.65,27.21 40.34,27.21 40.05,27.5 40.05,31.05 39.62,31.47 39.62,34.34 35.94,38.02 31.43,38.02 30.55,38.9 13.61,38.9 v1(11.85,37.14) 10.24,35.53 4.01,35.53 J2.4
